# Altium PCB motordriver-v5.1_willem.PcbDoc (part 2 of 6) (continued)
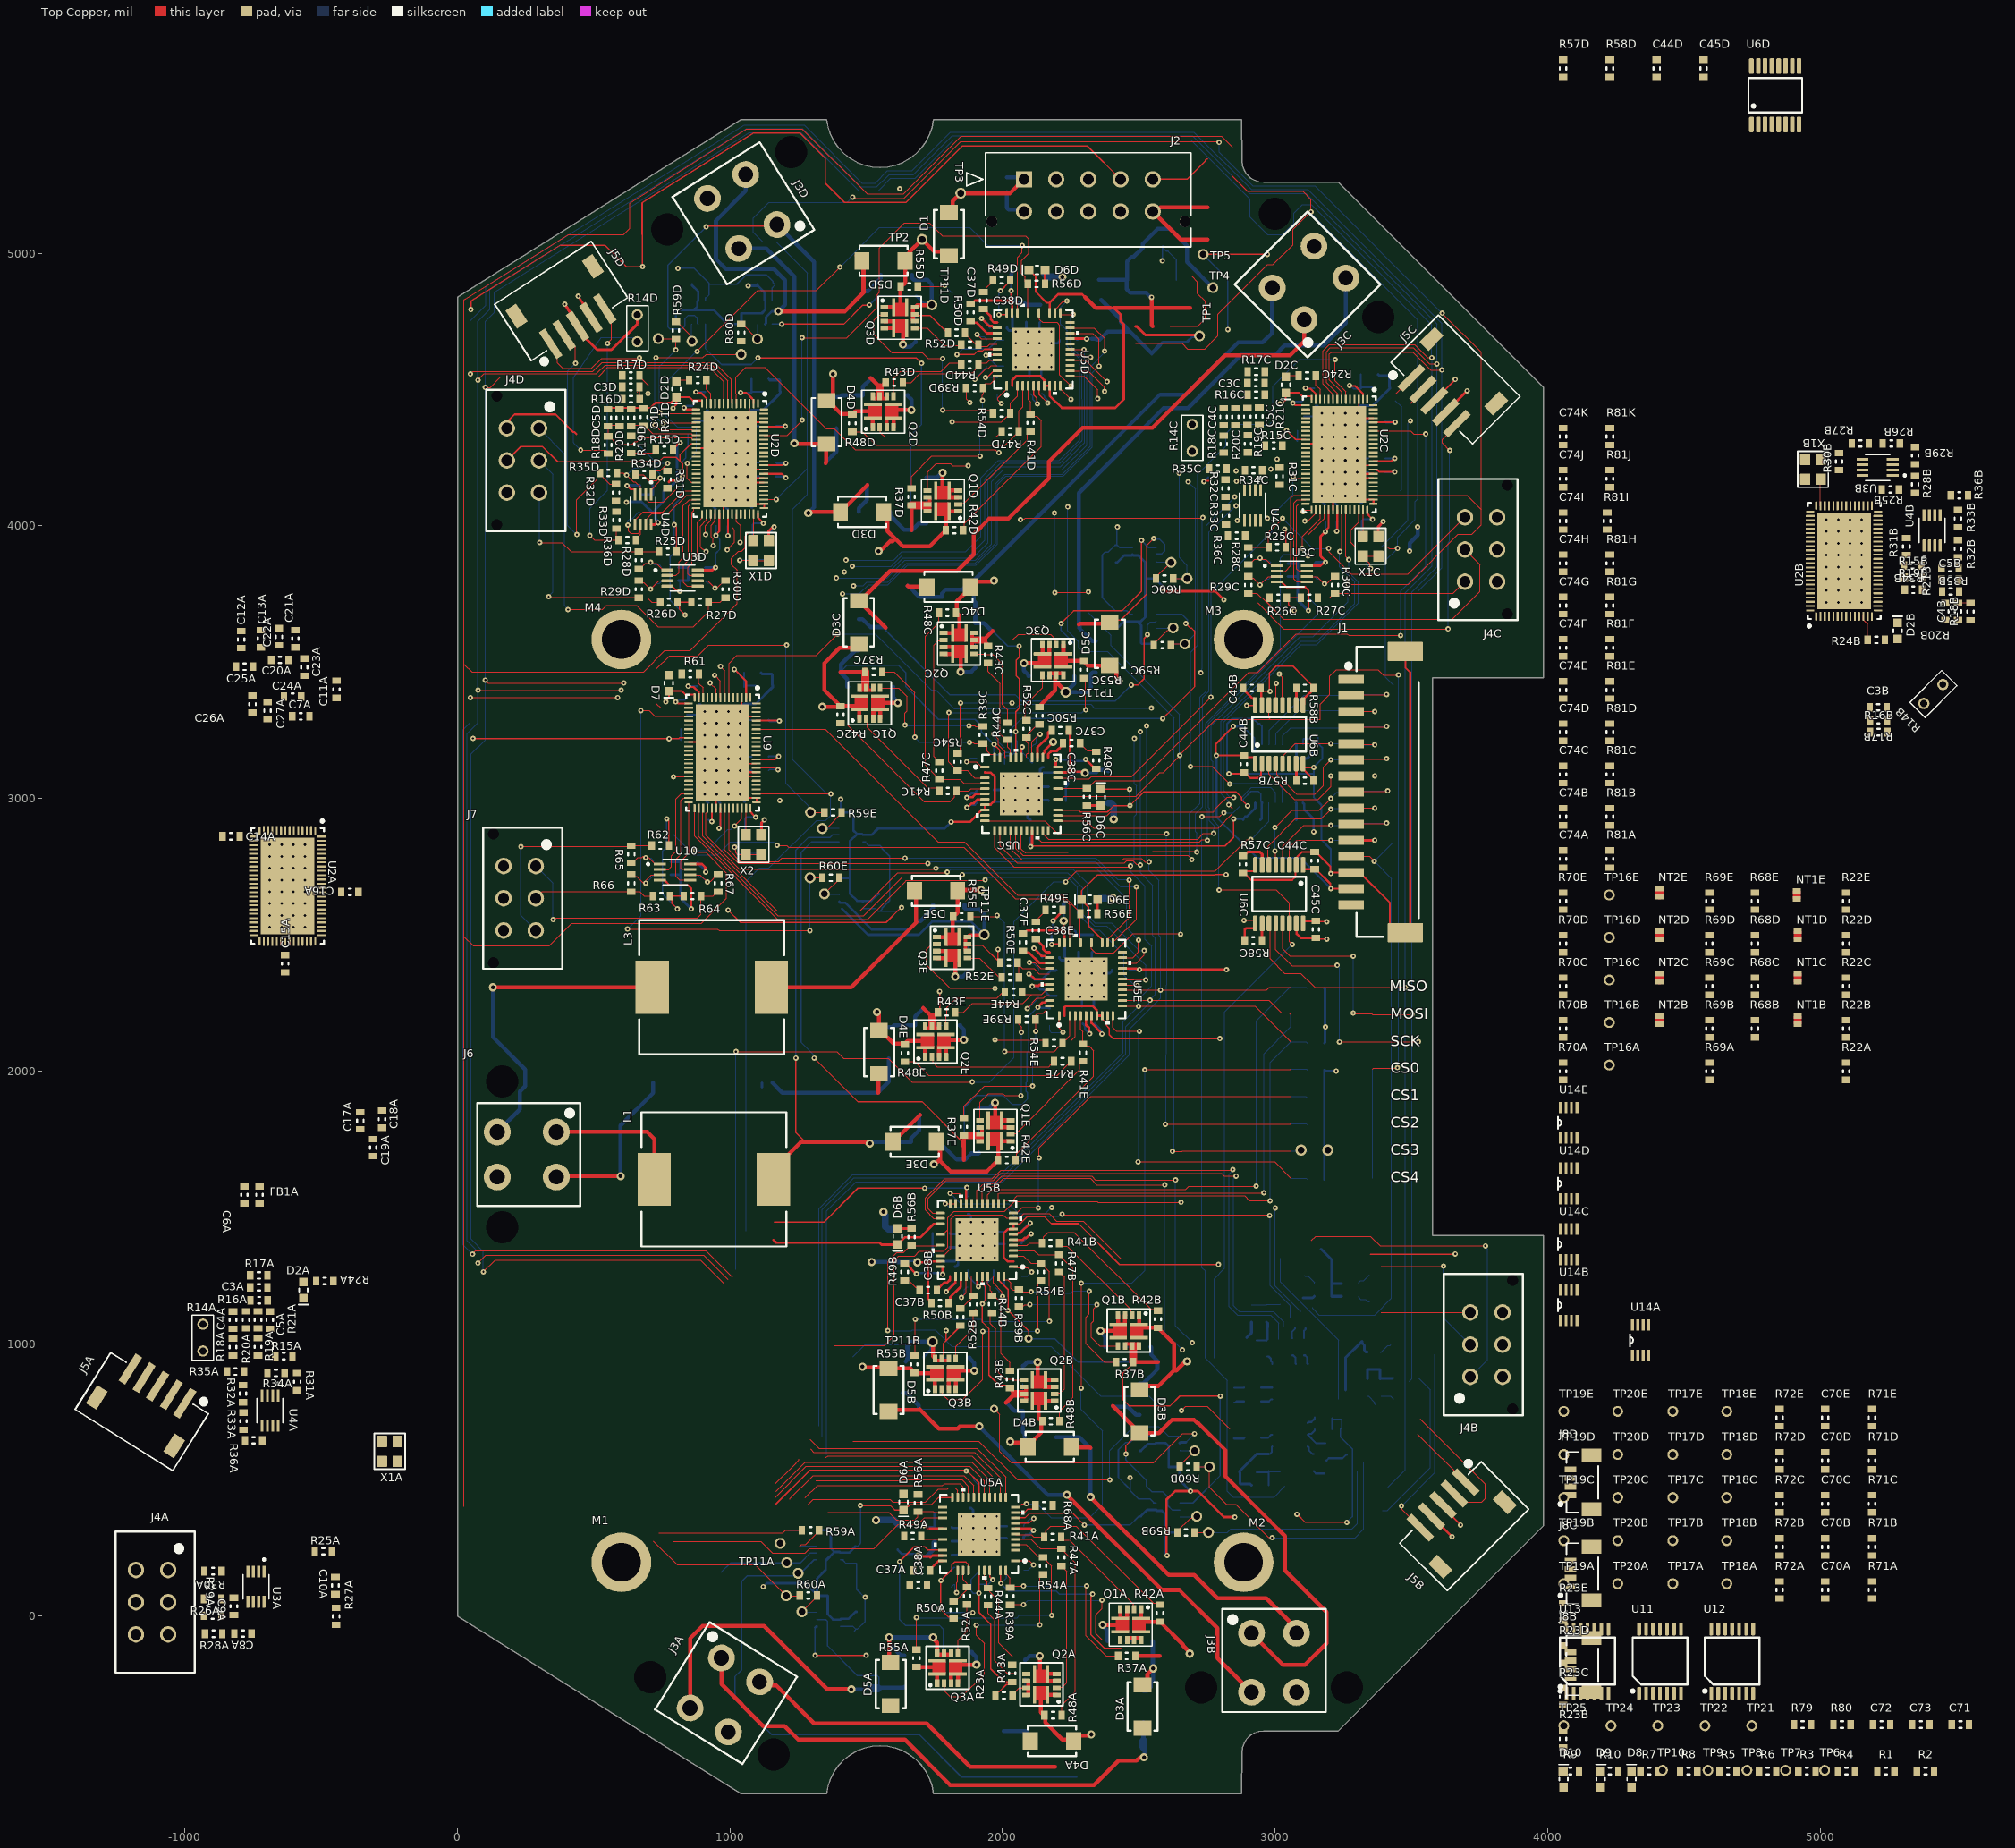
[diagram p0: Top Copper view]
## Components (designator, comment, footprint, x,y, rotation, side; value= is the part's Value field where it differs from the comment) (continued)
R72E "4.7k" 0603 4851.61,727.89 r90 top value=1 (schematic designator R72)
R73 "RES NTC 10k" "THERMISTOR TH" 3149.61,1704.72 r180 bottom value=10k
R74 "RES NTC 10k" 0603 3149.61,1803.15 r180 bottom value=10k
R75 "47k" 0603 3149.61,1901.57 r180 bottom
R76 "1k" 0603 3149.61,2003.94 r180 bottom
R77 "4.7k" 0603 3149.61,2303.15 r0 bottom value=1
R78 "4.7k" 0603 3149.61,2102.36 r0 bottom value=1
R79 "4.7k" 0603 4935.61,-398.11 r0 top value=1
R80 "4.7k" 0603 5080.61,-398.11 r0 top value=1
R81A "100" 0603 4228.61,2777.89 r90 top (schematic designator R81)
R81B "100" 0603 4228.61,2932.89 r90 top (schematic designator R81)
R81C "100" 0603 4228.61,3087.89 r90 top (schematic designator R81)
R81D "100" 0603 4228.61,3242.89 r90 top (schematic designator R81)
R81E "100" 0603 4228.61,3397.89 r90 top (schematic designator R81)
R81F "100" 0603 4228.61,3552.89 r90 top (schematic designator R81)
R81G "100" 0603 4228.61,3707.89 r90 top (schematic designator R81)
R81H "100" 0603 4228.61,3862.89 r90 top (schematic designator R81)
R81I "100" 0603 4218.61,4017.89 r90 top (schematic designator R81)
R81J "100" 0603 4228.61,4172.89 r90 top (schematic designator R81)
R81K "100" 0603 4228.61,4327.89 r90 top (schematic designator R81)
TP1 "Test Point (Via)" TP 2722.75,4696.89 r0 top
TP2 "Test Point (Via)" TP 1704.72,5051.18 r0 top
TP3 "Test Point (Via)" TP 1846.46,5220.47 r0 top
TP4 "Test Point (Via)" TP 2771.65,4874.02 r270 top
TP5 "Test Point (Via)" TP 2736.22,4996.06 r180 top
TP6 "Test Point (Via)" TP 5016.61,-566.11 r0 top
TP7 "Test Point (Via)" TP 4873.61,-566.11 r0 top
TP8 "Test Point (Via)" TP 4731.61,-566.11 r0 top
TP9 "Test Point (Via)" TP 4588.61,-566.11 r0 top
TP10 "Test Point (Via)" TP 4421.61,-566.11 r90 top
TP11A "Test Point (Via)" TP 1208,196 r180 top (schematic designator TP11)
TP11B "Test Point (Via)" TP 1743.03,1006.81 r180 top (schematic designator TP11)
TP11C "Test Point (Via)" TP 2232.28,3389.76 r0 top (schematic designator TP11)
TP11D "Test Point (Via)" TP 1740.75,4811.02 r90 top (schematic designator TP11)
TP11E "Test Point (Via)" TP 1933.07,2500 r90 top (schematic designator TP11)
TP12A "Test Point (Via)" TP 1250,157 r180 bottom (schematic designator TP12)
TP12B "Test Point (Via)" TP 2755.91,307.09 r0 bottom (schematic designator TP12)
TP12C "Test Point (Via)" TP 2669.29,3566.93 r0 bottom (schematic designator TP12)
TP12D "Test Point (Via)" TP 737,4687 r270 bottom (schematic designator TP12)
TP12E "Test Point (Via)" TP 1295.28,2948.82 r180 bottom (schematic designator TP12)
TP13A "Test Point (Via)" TP 1184,267 r180 bottom (schematic designator TP13)
TP13B "Test Point (Via)" TP 2712.6,366.14 r0 bottom (schematic designator TP13)
TP13C "Test Point (Via)" TP 2625.98,3625.98 r0 bottom (schematic designator TP13)
TP13D "Test Point (Via)" TP 860.55,4677.68 r270 bottom (schematic designator TP13)
TP13E "Test Point (Via)" TP 1338.58,2889.76 r180 bottom (schematic designator TP13)
TP14A "Test Point (Via)" TP 1206.11,74.5 r180 bottom (schematic designator TP14)
TP14B "Test Point (Via)" TP 2759.7,547.57 r0 bottom (schematic designator TP14)
TP14C "Test Point (Via)" TP 2677.18,3806.71 r0 bottom (schematic designator TP14)
TP14D "Test Point (Via)" TP 1040.9,4629.5 r270 bottom (schematic designator TP14)
TP14E "Test Point (Via)" TP 1293.79,2708.9 r180 bottom (schematic designator TP14)
TP15A "Test Point (Via)" TP 1263.78,15.75 r180 bottom (schematic designator TP15)
TP15B "Test Point (Via)" TP 2704.72,606.3 r0 bottom (schematic designator TP15)
TP15C "Test Point (Via)" TP 2618.11,3866.14 r0 bottom (schematic designator TP15)
TP15D "Test Point (Via)" TP 1100.71,4685.55 r270 bottom (schematic designator TP15)
TP15E "Test Point (Via)" TP 1346.46,2649.6 r180 bottom (schematic designator TP15)
TP16A "Test Point (Via)" TP 4226.61,2021.89 r90 top (schematic designator TP16)
TP16B "Test Point (Via)" TP 4226.61,2177.89 r90 top (schematic designator TP16)
TP16C "Test Point (Via)" TP 4226.61,2333.89 r90 top (schematic designator TP16)
TP16D "Test Point (Via)" TP 4226.61,2489.89 r90 top (schematic designator TP16)
TP16E "Test Point (Via)" TP 4226.61,2645.89 r90 top (schematic designator TP16)
TP17A "Test Point (Via)" TP 4459.61,118.89 r90 top (schematic designator TP17)
TP17B "Test Point (Via)" TP 4459.61,276.89 r90 top (schematic designator TP17)
TP17C "Test Point (Via)" TP 4459.61,434.89 r90 top (schematic designator TP17)
TP17D "Test Point (Via)" TP 4459.61,592.89 r90 top (schematic designator TP17)
TP17E "Test Point (Via)" TP 4459.61,750.89 r90 top (schematic designator TP17)
TP18A "Test Point (Via)" TP 4657.61,118.89 r90 top (schematic designator TP18)
TP18B "Test Point (Via)" TP 4657.61,276.89 r90 top (schematic designator TP18)
TP18C "Test Point (Via)" TP 4657.61,434.89 r90 top (schematic designator TP18)
TP18D "Test Point (Via)" TP 4657.61,592.89 r90 top (schematic designator TP18)
TP18E "Test Point (Via)" TP 4657.61,750.89 r90 top (schematic designator TP18)
TP19A "Test Point (Via)" TP 4059.61,118.89 r90 top (schematic designator TP19)
TP19B "Test Point (Via)" TP 4059.61,276.89 r90 top (schematic designator TP19)
TP19C "Test Point (Via)" TP 4059.61,434.89 r90 top (schematic designator TP19)
TP19D "Test Point (Via)" TP 4059.61,592.89 r90 top (schematic designator TP19)
TP19E "Test Point (Via)" TP 4059.61,750.89 r90 top (schematic designator TP19)
TP20A "Test Point (Via)" TP 4257.61,118.89 r90 top (schematic designator TP20)
TP20B "Test Point (Via)" TP 4257.61,276.89 r90 top (schematic designator TP20)
TP20C "Test Point (Via)" TP 4257.61,434.89 r90 top (schematic designator TP20)
TP20D "Test Point (Via)" TP 4257.61,592.89 r90 top (schematic designator TP20)
TP20E "Test Point (Via)" TP 4257.61,750.89 r90 top (schematic designator TP20)
TP21 "Test Point (Via)" TP 4749.61,-402.11 r90 top
TP22 "Test Point (Via)" TP 4577.61,-402.11 r90 top
TP23 "Test Point (Via)" TP 4404.61,-402.11 r90 top
TP24 "Test Point (Via)" TP 4232.61,-402.11 r90 top
TP25 "Test Point (Via)" TP 4059.61,-402.11 r90 top
U1 "ZLDO1117K33TC" "DPAK (TO-252)" 2547.24,4736.22 r0 bottom
U2A "TMC4671-LA" QFN40P1050X650X90_HS-77N -624,2679 r270 top (schematic designator U2)
U2B "TMC4671-LA" QFN40P1050X650X90_HS-77N 5088.04,3871.04 r90 top (schematic designator U2)
U2C "TMC4671-LA" QFN40P1050X650X90_HS-77N 3236.3,4261.77 r270 top (schematic designator U2)
U2D "TMC4671-LA" QFN40P1050X650X90_HS-77N 1000.08,4246.02 r270 top (schematic designator U2)
U3A "74LVC3G17DC,125" 8-VSSOP -739.54,108 r270 top (schematic designator U3)
U3B "74LVC3G17DC,125" 8-VSSOP 5211.13,4214.46 r180 top (schematic designator U3)
U3C "74LVC3G17DC,125" 8-VSSOP 3062.2,3823.98 r0 top (schematic designator U3)
U3D "74LVC3G17DC,125" 8-VSSOP 825.98,3808.23 r0 top (schematic designator U3)
U4A "74LVC3G17DC,125" 8-VSSOP -687.9,754.1 r270 top (schematic designator U4)
U4B "74LVC3G17DC,125" 8-VSSOP 5410.95,3983.21 r90 top (schematic designator U4)
U4C "74LVC3G17DC,125" 8-VSSOP 2917.22,4075.75 r270 top (schematic designator U4)
U4D "74LVC3G17DC,125" 8-VSSOP 681,4060 r270 top (schematic designator U4)
U5A "TMC6100" QFN50P700X700X85_HS-38N 1914.07,301.33 r180 top (schematic designator U5)
U5B "TMC6100" QFN50P700X700X85_HS-38N 1906.19,1380.07 r180 top (schematic designator U5)
U5C "TMC6100" QFN50P700X700X85_HS-38N 2069.12,3016.5 r0 top (schematic designator U5)
U5D "TMC6100" QFN50P700X700X85_HS-38N 2114.02,4647.86 r90 top (schematic designator U5)
U5E "TMC6100" QFN50P700X700X85_HS-38N 2306.34,2336.84 r90 top (schematic designator U5)
U6A "ADUM141D1BRQZ" SOP64P600X175-16N 3014.86,3091.54 r270 bottom (schematic designator U6)
U6B "ADUM141D1BRQZ" SOP64P600X175-16N 3014.86,3235.24 r90 top (schematic designator U6)
U6C "ADUM141D1BRQZ" SOP64P600X175-16N 3015.24,2648.9 r270 top (schematic designator U6)
U6D "ADUM141D1BRQZ" SOP64P600X175-16N 4835.61,5579.89 r90 top (schematic designator U6)
U7A "OP AMP CURR SENSE BI TSC" SC70-6 1361.69,232.6 r270 bottom (schematic designator U7)
U7B "OP AMP CURR SENSE BI TSC" SC70-6 2606.81,389.45 r90 bottom (schematic designator U7)
U7C "OP AMP CURR SENSE BI TSC" SC70-6 2520.2,3649.29 r90 bottom (schematic designator U7)
U7D "OP AMP CURR SENSE BI TSC" SC70-6 883.86,4783.47 r0 bottom (schematic designator U7)
U7E "OP AMP CURR SENSE BI TSC" SC70-6 1444.37,2866.46 r270 bottom (schematic designator U7)
U8A "OP AMP CURR SENSE BI TSC" SC70-6 1361.69,-12.87 r270 bottom (schematic designator U8)
U8B "OP AMP CURR SENSE BI TSC" SC70-6 2606.81,634.92 r90 bottom (schematic designator U8)
U8C "OP AMP CURR SENSE BI TSC" SC70-6 2520.2,3894.76 r90 bottom (schematic designator U8)
U8D "OP AMP CURR SENSE BI TSC" SC70-6 1129.33,4783.47 r0 bottom (schematic designator U8)
U8E "OP AMP CURR SENSE BI TSC" SC70-6 1444.37,2620.98 r270 bottom (schematic designator U8)
U9 "TMC4671-LA" QFN40P1050X650X90_HS-77N 972.52,3167.28 r270 top
U10 "74LVC3G17DC,125" 8-VSSOP 798.43,2729.49 r0 top
U11 "Tri-State Buffer" 14-TSSOP 4412.61,-165.11 r90 top
U12 "Tri-State Buffer" 14-TSSOP 4677.61,-165.11 r90 top
U13 "Tri-State Buffer" 14-TSSOP 4146.61,-165.11 r90 top
U14A "FSA3357K8X" SOP50P310X90-8N 4341,1012 r90 top (schematic designator U14)
U14B "FSA3357K8X" SOP50P310X90-8N 4077.61,1140.89 r90 top (schematic designator U14)
U14C "FSA3357K8X" SOP50P310X90-8N 4077.61,1363.89 r90 top (schematic designator U14)
U14D "FSA3357K8X" SOP50P310X90-8N 4077.61,1586.89 r90 top (schematic designator U14)
U14E "FSA3357K8X" SOP50P310X90-8N 4077.61,1809.89 r90 top (schematic designator U14)
X1A "KC2520C25.0000C2LE00" KC2520C25.0000C2LE00 -248.65,604.43 r90 top (schematic designator X1)
X1B "KC2520C25.0000C2LE00" KC2520C25.0000C2LE00 4973.94,4207.62 r270 top (schematic designator X1)
X1C "KC2520C25.0000C2LE00" KC2520C25.0000C2LE00 3350.39,3925.2 r90 top (schematic designator X1)
X1D "KC2520C25.0000C2LE00" KC2520C25.0000C2LE00 1114.17,3909.45 r90 top (schematic designator X1)
X2 "KC2520C25.0000C2LE00" KC2520C25.0000C2LE00 1086.61,2830.71 r90 top

## Footprints (in the part's own frame and the unit in brackets; to place one, negate y for a bottom-side part, rotate by r counter-clockwise, add the part's x,y. Pads: shape width x height; smd on the part's side, far side on the other; paste and mask are expansions set on the pad)
8-VSSOP [mm]
  rrect25% 1.12x0.27 smd mask+0.065: 1(-1.405,0.75) 2(-1.405,0.25) 3(-1.405,-0.25) 4(-1.405,-0.75) 5(1.405,-0.75) 6(1.405,-0.25) 7(1.405,0.25) 8(1.405,0.75)
  silkscreen extent -2.62,-1.2 1.15,1.2, body extent -1.55,-1 1.55,1, height 0.9
12-PowerWQFN [mm] "MOSFET DUAL SWITCHING N CHANNEL"
  rrect10% 0.74x0.42 smd mask+0.065: 1(-1.43,0.975) 2(-1.43,0.325) 3(-1.43,-0.325) 4(-1.43,-0.975) 7(1.43,-0.975) 8(1.43,0.975) 8(1.43,-0.325) 8(1.43,0.325)
  rrect10% 0.3x1.66 smd mask+0.065: 5(-0.575,-0.97) 5(0.66,-0.97) 11(-0.575,0.97) 11(0.66,0.97)
  Top Copper region: 0.66,-1.4 0.66,-0.14 -0.575,-0.14 -0.575,-1.4
  Top Copper region: 1.414,-0.325 1.414,0.975 1.06,0.975 1.06,-0.325
  Top Copper region: -0.575,1.4 -0.575,0.14 0.66,0.14 0.66,1.4
  silkscreen extent -2,-2 2,2, body extent -1.65,-1.65 1.65,1.65, height 0.81
14-TSSOP [mm]
  rrect50% 1.2x0.35 smd mask+0.07: 1(-3,1.95) 2(-3,1.3) 3(-3,0.65) 4(-3,0) 5(-3,-0.65) 6(-3,-1.3) 7(-3,-1.95) 8(3,-1.95) 9(3,-1.3) 10(3,-0.65) 11(3,0) 12(3,0.65) 13(3,1.3) 14(3,1.95)
  silkscreen extent -2.8,-2.55 2.2,2.55, body extent -3.2,-2.5 3.2,2.5, height 1.13
0603 [mm] "Chip Resistor, 2-Leads, Body 1.60x0.80mm, IPC High Density"
  rect 0.6x0.8 smd mask+0.1: 1(-0.8,0) 2(0.8,0)
  silkscreen extent -0.1,-0.3 0.1,0.3, body extent -0.8,-0.4 0.8,0.4, height 0.6
"0603 - LED" [mm]
  rect 0.8x0.8 smd: 1(-0.75,0) 2(0.75,0)
  silkscreen extent -0.15,-0.45 1.35,0.45, body extent -0.8,-0.4 0.8,0.4, height 0.65
"0603 - LED2" [mm]
  rect 0.8x0.8 smd: 1(-0.75,0) 2(0.75,0)
  silkscreen extent -0.15,-0.45 1.35,0.45, body extent -0.8,-0.4 0.8,0.4, height 0.65
0805 [mil]
  rect 40x55 smd: 1(-37,0) 2(37,0)
  silkscreen extent -4,-28 4,28, body extent -47,-28 47,28, height 24
1206 [mm]
  rect 1.05x1.72 smd: 1(-1.46,0) 2(1.46,0)
  silkscreen extent -0.62,-0.85 0.62,0.85
39299044 [mm] "4 POS MOLEX VERT"
  round 2.5 hole 1.4: 1(0,0) 2(-4.2,0) 3(0,5.5) 4(-4.2,5.5)
  round 0 hole 3 unplated: MH1(-8.9,5.04) MH1(4.7,5.04)
  silkscreen extent -6.9,-2.25 2.7,7.35, body extent -10.29,-2.25 6.09,8.75, height 12.8
430450628 [mm] "6 POS VERT MOLEX"
  round 1.53 hole 1.02: 1(0,0) 2(-3,0) 3(-6,0) 4(0,3) 5(-3,3) 6(-6,3)
  round 0 hole 1.02 unplated: MH1(3,3.94) MH2(-9,3.94)
  silkscreen extent -9.57,-2.47 3.58,4.9, body extent -9.57,-2.47 3.58,6.3, height 9.95
"DO-214AC, SMA" [mm]
  rect 1.4x1.64 smd: 1(-2.015,0) 2(2.015,0)
  silkscreen extent -2.25,-1.4 2.25,1.4, body extent -2.36,-1.29 2.36,1.29, height 2.3
"DPAK (TO-252)" [mil]
  rect 38.58x107.87 smd: 1(-90,-165) 3(90,-165)
  rect 241.67x251.97 smd paste-157.48: 2(0,103)
  silkscreen extent -135,-244 135,150, body extent -128,-185 128,205, height 97
"EATON _HCM1A1307V2-220-R" [mm] "FIXED IND 22UH 6A 33.1 mOHM SMD"
  rect 3.1x4.95 smd: 1(-5.55,0) 2(5.55,0)
  Top Copper lines w0.254: -4.6,0 -4.6,-0.4
  silkscreen extent -6.75,-6.25 6.75,6.25, body extent -6.72,-6.3 6.73,6.3, height 6.4
"JST ZE SMT 15POS" [mm] "15 POS HDR JST ZE"
  rrect10% 1.8x3.3 smd: 0(-12.35,-2.3) 0(13.85,-2.3)
  rrect10% 0.8x2.4 smd: 1(11.25,2.75) 2(9.75,2.75) 3(8.25,2.75) 4(6.75,2.75) 5(5.25,2.75) 6(3.75,2.75) 7(2.25,2.75) 8(0.75,2.75) 9(-0.75,2.75) 10(-2.25,2.75) 11(-3.75,2.75) 12(-5.25,2.75) 13(-6.75,2.75) 14(-8.25,2.75) 15(-9.75,2.75)
  silkscreen extent -12.75,-3.55 14.26,3, body extent -12.75,-3.55 14.25,3.45, height 7.6
JST_S5B-ZR-SM4A-TF [mil]
  rect 28x118 smd paste+0: 1(0,0) 2(59.06,0) 3(118.11,0) 4(177.17,0) 5(236.22,0)
  rect 47x79 smd: 6(-49.21,153.62) 7(285.43,153.62)
  silkscreen extent -93,-41 330,233, body extent -88,-28 325,228, height 146
KC2520C25.0000C2LE00 [mm]
  rrect10% 1.05x0.95 smd: 1(-0.925,-0.725) 2(0.925,-0.725) 3(0.925,0.725) 4(-0.925,0.725)
  silkscreen extent -1.68,-1.42 1.68,1.43, body extent -1.25,-1 1.25,1, height 0.75
MOLEX_0430451012 [mm]
  rect 1.52x1.52 hole 1.02 mask+0.076: 1(0,0)
  round 1.52 hole 1.02 mask+0.076: 2(-3,0) 3(-6,0) 4(-9,0) 5(-12,0) 6(0,3) 7(-3,3) 8(-6,3) 9(-9,3) 10(-12,3)
  round 1.02 hole 1.02 unplated mask+0.076: M1(3,3.94) M2(-15,3.94)
  silkscreen extent -15.57,-2.47 5.35,6.3, body extent -15.57,-2.47 3.58,6.3, height 9.95
"Mounting Hole c556h362" [mil]
  round 218.78 hole 142.44: 1(0,0)
NET_TIE-30 [mil] "12mil patch for net tie."
  rect 20x30 smd paste-20 mask+4: 1(0,0) 2(30,0)
  Top Copper lines w30: 25,0 5,0
QFN40P1050X650X90_HS-77N [mm] "QFN, 76-Leads, Body 10,50x6,50mm, Pitch 0,40mm, Thermal Pad 9,00x5,00mm, IPC Medium Density"
  rrect50% 0.768x0.182 smd mask+0.051: 1(-5.166,2.6) 14(-5.166,-2.6) 39(5.166,-2.6) 52(5.166,2.6)
  rrect50% 0.85x0.182 smd mask+0.051: 2(-5.15,2.2) 3(-5.15,1.8) 4(-5.15,1.4) 5(-5.15,1) 6(-5.15,0.6) 7(-5.15,0.2) 8(-5.15,-0.2) 9(-5.15,-0.6) 10(-5.15,-1) 11(-5.15,-1.4) 12(-5.15,-1.8) 13(-5.15,-2.2) 40(5.15,-2.2) 41(5.15,-1.8) 42(5.15,-1.4) 43(5.15,-1) 44(5.15,-0.6) 45(5.15,-0.2) 46(5.15,0.2) 47(5.15,0.6) 48(5.15,1) 49(5.15,1.4) 50(5.15,1.8) 51(5.15,2.2)
  rrect50% 0.182x0.768 smd mask+0.051: 15(-4.6,-3.166) 38(4.6,-3.166) 53(4.6,3.166) 76(-4.6,3.166)
  rrect50% 0.182x0.85 smd mask+0.051: 16(-4.2,-3.15) 17(-3.8,-3.15) 18(-3.4,-3.15) 19(-3,-3.15) 20(-2.6,-3.15) 21(-2.2,-3.15) 22(-1.8,-3.15) 23(-1.4,-3.15) 24(-1,-3.15) 25(-0.6,-3.15) 26(-0.2,-3.15) 27(0.2,-3.15) 28(0.6,-3.15) 29(1,-3.15) 30(1.4,-3.15) 31(1.8,-3.15) 32(2.2,-3.15) 33(2.6,-3.15) 34(3,-3.15) 35(3.4,-3.15) 36(3.8,-3.15) 37(4.2,-3.15) 54(4.2,3.15) 55(3.8,3.15) 56(3.4,3.15) 57(3,3.15) 58(2.6,3.15) 59(2.2,3.15) 60(1.8,3.15) 61(1.4,3.15) 62(1,3.15) 63(0.6,3.15) 64(0.2,3.15) 65(-0.2,3.15) 66(-0.6,3.15) 67(-1,3.15) 68(-1.4,3.15) 69(-1.8,3.15) 70(-2.2,3.15) 71(-2.6,3.15) 72(-3,3.15) 73(-3.4,3.15) 74(-3.8,3.15) 75(-4.2,3.15)
  rect 9x5 smd paste-99 mask+0.051: 77(0,0)
  silkscreen extent -6.17,-3.4 5.4,3.4, body extent -4.93,-3.25 5.58,3.25, height 0.9
QFN50P700X700X85_HS-38N [mm] "QFN, 44-Leads, Body 7.00x7.00mm, Pitch 0.50mm, Thermal Pad 4.00x4.00mm, IPC Medium Density"
  rrect50% 0.85x0.25 smd mask+0.075: 1(-3.4,2.5) 2(-3.4,1.5) 3(-3.4,1) 4(-3.4,0.5) 5(-3.4,0) 6(-3.4,-0.5) 7(-3.4,-1) 8(-3.4,-1.5) 9(-3.4,-2) 10(-3.4,-2.5) 22(3.4,-2.5) 23(3.4,-2) 24(3.4,-1.5) 25(3.4,-0.5) 26(3.4,0.5) 27(3.4,1.5) 28(3.4,2) 29(3.4,2.5)
  rrect50% 0.25x0.85 smd mask+0.075: 11(-2.5,-3.4) 12(-2,-3.4) 13(-1.5,-3.4) 14(-1,-3.4) 15(-0.5,-3.4) 16(0,-3.4) 17(0.5,-3.4) 18(1,-3.4) 19(1.5,-3.4) 20(2,-3.4) 21(2.5,-3.4) 30(2,3.4) 31(1.5,3.4) 32(1,3.4) 33(0,3.4) 34(-0.5,3.4) 35(-1,3.4) 36(-2,3.4) 37(-2.5,3.4)
  rect 4x4 smd paste-99: 38(0,0)
  silkscreen extent -4.39,-4.22 4.22,4.22, body extent -3.5,-3.5 3.5,3.5, height 0.89
SC70-6 [mm] "Current Sense Amp Footprint"
  rrect50% 0.4x0.9 smd mask+0.075: 1(-0.65,-1.1) 2(0,-1.1) 3(0.65,-1.1) 4(0.65,1.1) 5(0,1.1) 6(-0.65,1.1)
  silkscreen extent -1.1,-1.5 1.1,1.05, body extent -1,-1.05 1,1.05, height 1
SM04B-SURS-TF(LF)(SN) [mil]
  rect 22x43 smd paste+0: 1(-47.24,43.16) 2(-15.75,43.16) 3(15.75,43.16) 4(47.24,43.16)
  rect 51x71 smd: 5(-98.43,-33.61) 6(98.43,-33.61)
  silkscreen extent -112,-58 112,81, body extent -106,-53 106,53, height 67
SOP50P310X90-8N [mil]
  rect 42x11 smd: 1(-56,30) 2(-56,10) 3(-56,-10) 4(-56,-30) 5(56,-30) 6(56,-10) 7(56,10) 8(56,30)
  silkscreen extent -23,27 23,39
SOP64P600X175-16N [mm] "SOP, 16-Leads, Body 4.90x3.91mm, Pitch 0.64mm, IPC Medium Density"
  rrect50% 1.45x0.435 smd mask+0.05: 1(-2.725,2.223) 2(-2.725,1.588) 3(-2.725,0.953) 4(-2.725,0.318) 5(-2.725,-0.317) 6(-2.725,-0.952) 7(-2.725,-1.587) 8(-2.725,-2.222) 9(2.725,-2.223) 10(2.725,-1.588) 11(2.725,-0.953) 12(2.725,-0.318) 13(2.725,0.317) 14(2.725,0.952) 15(2.725,1.587) 16(2.725,2.222)
  silkscreen extent -1.6,-2.5 1.6,2.5, body extent -2,-2.5 2,2.5, height 1.76
"THERMISTOR TH" [mm]
  round 1.05 hole 0.65: 1(-1.123,0.127) 2(1.377,0.127)
  silkscreen extent -1.97,-0.87 2.23,1.13
TP [mil] "Test point (40mil Standard)"
  round 40 hole 25: 1(0,0)

## Part data
C1 C2: library part "CAP 10uF 35V_1", "Default Symbol for Capacitors", Manufacturer Part Number 1=C2012X5R1V106K125AC, Rating=35V, Supplier Part Number 1=445-14418-1-ND, Temperature Coefficient=X5R, Tolerance=10%, Part Number="CAP 10uF 35V_1", Supplier 1=Digi-Key
C3A C3B C3C C3D C4A C4B C4C C4D C5A C5B C5C C5D C6A C6B C6C C6D C7A C7B C7C C7D C11A C11B C11C C11D C13A C13B C13C C13D C14A C14B C14C C14D C15A C15B C15C C15D C16A C16B C16C C16D C22A C22B C22C C22D C23A C23B C23C C23D C24A C24B C24C C24D C25A C25B C25C C25D C26A C26B C26C C26D C27A C27B C27C C27D C29A C29B C29C C29D C29E C37A C37B C37C C37D C37E C41A C41B C41C C41D C41E C42A C42B C42C C42D C42E C43A C43B C43C C43D C43E C44A C44B C44C C44D C45A C45B C45C C45D C47A C47B C47C C47D C47E C48A C48B C48C C48D C48E C50A C50B C50C C50D C50E C51A C51B C51C C51D C51E C52 C53 C58 C59 C60 C61 C64 C65 C66 C67 C68 C69 C70A C70B C70C C70D C70E C71 C72 C73: library part "CAP 100nF 50V", "Default Symbol for Capacitors", Manufacturer Part Number 1=CC0603KPX7R9BB104, Manufacturer Part Number 2=0805J0500104KJT, Rating=50V, Supplier Part Number 1=311-3567-1-ND, Temperature Coefficient=X7R, Tolerance=10%, Part Number="CAP 100nF 50V", Supplier 1=Digi-Key, Supplier 2=Digi-Key, Supplier Part Number 2=1608-1458-1-ND
C8A C8B C8C C8D C9A C9B C9C C9D C10A C10B C10C C10D C54 C55 C56: library part "CAP 1000pF 50V", "Default Symbol for Capacitors", Manufacturer Part Number 1="06035C102K4Z2A / 06035C102K4Z2A", Manufacturer Part Number 2=08055C102KAT2A, Rating=50V, Supplier Part Number 1=478-6342-1-ND, Temperature Coefficient=X7R, Tolerance=10%, Part Number="CAP 1000pF 50V", Supplier 1=Digi-Key, Supplier 2=Digi-Key, Supplier Part Number 2=478-1371-1-ND
C12A C12B C12C C12D C20A C20B C20C C20D C57 C62: library part "CAP 4.7uF 16V", "Default Symbol for Capacitors", Manufacturer Part Number 1=C1608X5R1C475K080AE, Manufacturer Part Number 2=C2012X5R1C475K085AB, Rating=16V, Supplier Part Number 1=445-175225-1-ND, Temperature Coefficient=X5R, Tolerance=10%, Part Number="CAP 4.7uF 16V", Supplier 1=Digi-Key, Supplier 2=Digi-Key, Supplier Part Number 2=445-14382-1-ND
C17A C17B C17C C17D C18A C18B C18C C18D C19A C19B C19C C19D: library part "CAP 100pF 50V", "Default Symbol for Capacitors", Manufacturer Part Number 1=C0603C101K5RAC7867, Manufacturer Part Number 2=C0805C101J5RAC7800, Rating=50V, Supplier Part Number 1=399-C0603C101K5RAC7867CT-ND, Temperature Coefficient=X7R, Tolerance=10%, Part Number="CAP 100pF 50V", Supplier 1=Digi-Key, Supplier 2=Digi-Key, Supplier Part Number 2=399-17420-1-ND
C21A C21B C21C C21D C30A C30B C30C C30D C30E C31A C31B C31C C31D C31E C32A C32B C32C C32D C32E C40A C40B C40C C40D C40E C63: library part "CAP 470nF 50V", "Default Symbol for Capacitors", Manufacturer Part Number 1=C1608X7R1H474K080AC, Manufacturer Part Number 2=CL21B474KBFNNNG, Rating=50V, Supplier Part Number 1=445-5952-1-ND, Temperature Coefficient=X7R, Tolerance=10%, Part Number="CAP 470nF 50V", Supplier 1=Digi-Key, Supplier 2=Digi-Key, Supplier Part Number 2=1276-6482-1-ND
C28A C28B C28C C28D C28E C33A C33B C33C C33D C33E C38A C38B C38C C38D C38E: library part "CAP 1600pF 50V", "Default Symbol for Capacitors", Manufacturer Part Number 1=GRM1885C1H162JA01D, Manufacturer Part Number 2=GRM2165C1H162JA01D, Rating=50V, Supplier Part Number 1=490-1456-1-ND, Temperature Coefficient=NP0, Tolerance=5%, Part Number="CAP 1600pF 50V", Supplier 1=Digi-Key, Supplier 2=Digi-Key, Supplier Part Number 2=490-1625-1-ND
C34A C34B C34C C34D C34E: library part "CAP 10uF 50V", "Default Symbol for Capacitors", Manufacturer Part Number 1=GRM21BR61H106KE43L, Manufacturer Part Number 2=CL32B106KBJNNWE, Rating=50V, Supplier Part Number 1=490-18663-1-ND, Temperature Coefficient=X5R, Tolerance=10%, Part Number="CAP 10uF 50V", Supplier 1=Digi-Key, Supplier 2=Digi-Key, Supplier Part Number 2=1276-3388-1-ND
C35A C35B C35C C35D C35E C36A C36B C36C C36D C36E: library part "CAP 2.2uF 35V", "Default Symbol for Capacitors", Manufacturer Part Number 1=C1608X5R1V225K080AC, Manufacturer Part Number 2=CGA4J1X7R1V225K125AE, Rating=35V, Supplier Part Number 1=445-8025-1-ND, Temperature Coefficient=X5R, Tolerance=10%, Part Number="CAP 2.2uF 35V", Supplier 1=Digi-Key, Supplier 2=Digi-Key, Supplier Part Number 2=445-8787-1-ND
C39A C39B C39C C39D C39E: library part "CAP 0.022uF 35V", "Default Symbol for Capacitors", Manufacturer Part Number 1=GMK107BJ223KAHT, Manufacturer Part Number 2=GMK212SD223KG-T, Rating=35V, Supplier Part Number 1=587-3359-1-ND, Temperature Coefficient=X7R, Tolerance=10%, Part Number="CAP 0.022uF 35V", Supplier 1=Digi-Key, Supplier 2=Digi-Key, Supplier Part Number 2=587-1122-1-ND
C46A C46B C46C C46D C46E C49A C49B C49C C49D C49E: library part "CAP 2200pF 50V", "Default Symbol for Capacitors", Manufacturer Part Number 1=06035C222KAT2A, Manufacturer Part Number 2=CL21B222KBANNNC, Rating=50V, Supplier Part Number 1=478-1219-1-ND, Temperature Coefficient=X7R, Tolerance=10%, Part Number="CAP 2200pF 50V", Supplier 1=Digi-Key, Supplier 2=Digi-Key, Supplier Part Number 2=1276-1171-1-ND
C74A C74B C74C C74D C74E C74F C74G C74H C74I C74J C74K: library part "CAP 330pF 16V", "Default Symbol for Capacitors", Rating=16V, Temperature Coefficient=X5R, Tolerance=10%, Part Number="CAP 330pF 16V"
D1 D3A D3B D3C D3D D3E D4A D4B D4C D4D D4E D5A D5B D5C D5D D5E: library part "DIODE TVS 26VWM 53.5VC SMA", "TVS DIODE 26V 53.5V SMA", Current Rating=43A, Manufacturer Part Number=SMAJ26CA-TR, Power=400W, Supplier Part Number 1=497-12523-1-ND, Voltage Rating - DC="26VWM, 53.5VC", Part Number="DIODE TVS 26VWM 53.5VC SMA", Pin Count=2, Supplier 1=Digi-Key, Supplier URL 1=https://www.digikey.ca/en/products/detail/stmicroelectronics/SMAJ26CA-TR/2214530?s=N4IgTCBcDaICwE4DsBaAjGArGAzOlAcgCIgC6AvkA
D2A D2B D2C D2D D7 D8 D9 D10: library part "LED GREEN SMD 0603", "LED Uni-Color Green 574nm 2-Pin Chip LED T/R", Current Rating=20mA, Manufacturer Part Number=LTST-C190KGKT, Supplier Part Number 1=160-1435-1-ND, Voltage Rating - DC=2V, Part Number="LED GREEN SMD 0603", Pin Count=2, Supplier 1=Digi-Key, Supplier URL 1=https://www.digikey.ca/en/products/detail/lite-on-inc/LTST-C190KGKT/386815?s=N4IgTCBcDaIIwDYAMBaOAWAzAVjSgcgCIgC6AvkA
D6A D6B D6C D6D D6E: library part "LED RED SMD 0603", "0603 red led alingap 631nm-639nm water clear 18-180mcd 130d", Current Rating=20mA, Manufacturer Part Number=LTST-C190KRKT, Supplier Part Number 1=160-1436-1-ND, Voltage Rating - DC=2V, Part Number="LED RED SMD 0603", Pin Count=2, Supplier 1=Digi-Key, Supplier URL 1=https://www.digikey.ca/en/products/detail/lite-on-inc/LTST-C190KRKT/386817?s=N4IgTCBcDaIIwDYAMBaOAWAzAtKByAIiALoC%2BQA
FB1A FB1B FB1C FB1D FB2: library part "FERRITE BEAD 200 MOHM 0603 1LN", "WURTH ELEKTRONIK - 742792651 - Ferrite Bead, 0603 [1608 Metric], 600 ohm, 1 A, WE-CBF Series, 0.2 ohm, &#177; 25%", Manufacturer Part Number=742792651-220-R, Supplier Part Number 1=732-1593-1-ND, Part Number="FERRITE BEAD 200 MOHM 0603 1LN", Supplier 1=Digi-Key, Supplier URL 1=https://www.digikey.ca/en/products/detail/w%C3%BCrth-elektronik/742792651/1638997?s=N4IgTCBcDaIOwGYwFoCMBWAnAtyByAIiALoC%2BQA
J1: library part "CN 15POS JST ZE SMT", "CONN HEADER VERT SMD 15POS ZE", Supplier Part Number 1=455-4211-1-ND, Manufacturer Part Number=BM15B-ZESS-TBT(LF)(SN), Part Number="CN 15POS JST ZE SMT", Pin Count=15, Supplier 1=Digi-Key, Supplier URL 1=https://www.digikey.ca/en/products/detail/jst-sales-america-inc/BM15B-ZESS-TBT-LF-SN/1886999?s=N4IgTCBcDaIEIFkCMBWOBaAWgUQMq-QBU5CAKAGQDEBKU3AOWpAF0BfIA
J2: library part "CN HDR 10POS MOLEX 0430451012", "CONN HEADER VERT 10POS 3MM", Manufacturer Part Number=0430451012, Supplier Part Number 1=455-1696-1-ND, Part Number="CN HDR 10POS MOLEX 0430451012", Pin Count=10, Supplier 1=Digi-Key, Supplier URL 1=https://www.digikey.ca/en/products/detail/molex/0430451012/252506?s=N4IgTCBcDaIAwBYDMiCsBGO6IF0C%2BQA
J3A J3B J3C J3D J6: library part "CN HDR 4POS Molex 39299044 VERT", "Molex 39299044 4POS Minifit / dual row, vertical", Supplier Part Number 1=WM7336-ND, Manufacturer Part Number=39299044, Part Number="CN HDR 4POS Molex 39299044 VERT", Pin Count=4, Supplier 1=Digi-Key, Supplier URL 1=https://www.digikey.ca/en/products/detail/molex/0039299044/1624292?s=N4IgTCBcDaIOoFkDsBmFA2AtAOQCIgF0BfIA
J4A J4B J4C J4D J7: library part "CN HDR 6POS Molex 43045-0628", "Molex 43045-0628 6POS Microfit / dual row, Vertical", Manufacturer Part Number=430450628, Supplier Part Number 1=WM10679-ND, Part Number="CN HDR 6POS Molex 43045-0628", Pin Count=6, Supplier 1=Digi-Key, Supplier URL 1=https://www.digikey.ca/en/products/detail/molex/0430450628/3310200?s=N4IgTCBcDaICwGYAMcCsSBsYAcAdXIAugL5A
J5A J5B J5C J5D: library part "CN 5POS JST ZR RA", "Connector Header Surface Mount, Right Angle 5 position 0.059\" (1.50mm)", Manufacturer Part Number=S5B-ZR-SM4A-TF, Supplier Part Number 1=455-1696-1-ND, Part Number="CN 5POS JST ZR RA", Pin Count=5, Supplier 1=Digi-Key, Supplier URL 1=https://www.digikey.ca/en/products/detail/jst-sales-america-inc/S5B-ZR-SM4A-TF-LF-SN/926603?s=N4IgTCBcDaICwFYEFoCMA2AnOtyByAIiALoC%2BQA
J8A J8B J8C J8D: library part "CN 4POS JST SUR RA", "No Description Available", Mfr_Name=JST, Supplier Part Number 1=455-3589-1-ND, Copyright="Copyright (C) 2022 Ultra Librarian. All rights reserved.", Digi-Key_Part_Number_1=455-3589-2-ND, Digi-Key_Part_Number_2=455-3589-1-ND, Digi-Key_Part_Number_3=455-3589-6-ND, Manufacturer Part Number=SM04B-SURS-TF(LF)(SN), Manufacturer_Part_Number=SM04B-SURS-TF(LF)(SN), Part Number="CN 4POS JST SUR RA", RefDes=RefDes, Supplier 1=Digi-Key, Supplier 2=Newark, Supplier Part Number 2=38K7687, Supplier URL 1=https://www.digikey.ca/en/products/detail/jst-sales-america-inc/SM04B-SURS-TF-LF-SN/7230518?s=N4IgTCBcDaICwFYEFoDMCAcBOZBGZAcgCIgC6AvkA, Supplier URL 2=https://canada.newark.com/jst-japan-solderless-terminals/sm04b-surs-tf-lf-sn/wire-board-connector-header-4/dp/38K7687?CMP=AFC-OP, Type=DEV
L1 L2 L3: library part "IND 22UH 6A 33.1 mOHM SMD", "Automotive Grade High Current Power Inductor 22uH 6A 28.8mOhm 5MHz SRF 2-Pin Surface Mount T/R", Manufacturer Part Number=HCM1A1307V2-220-R, Supplier Part Number 1=283-HCM1A1307V2-220-RCT-ND, Part Number="IND 22UH 6A 33.1 mOHM SMD", Supplier 1=Digi-Key, Supplier URL 1=https://www.digikey.ca/en/products/detail/eaton-electronics-division/HCM1A1307V2-220-R/10479205?s=N4IgTCBcDa4BwGYC0AJAwgWQIwEEsIAYB2ANTCTDAKQCU0AVJAOQBEQBdAXyA
M1 M2 M3 M4: library part "MOUNTING HOLE", "Mounting Hole, Plated, Through Hole, Via 5.557mm, Hole 3.618mm", Hole Size=3.618mm, Via Size=5.557mm
NT1A NT1B NT1C NT1D NT1E NT2A NT2B NT2C NT2D NT2E: library part NetTie-30, "Combines 2 nets", Part Number=NetTie-30
Q1A Q1B Q1C Q1D Q1E Q2A Q2B Q2C Q2D Q2E Q3A Q3B Q3C Q3D Q3E: library part "MOSFET N-CH DUAL NTTFD4D0N04HLTWG", "MOSFET N+N COMMON PHASE SW 40V 60A", Supplier Part Number 1=488-NTTFD4D0N04HLTWGCT-ND, Part Number="MOSFET N-CH DUAL NTTFD4D0N04HLTWG", Supplier 1=Digi-Key, Supplier URL 1=https://www.digikey.ca/en/products/detail/onsemi/NTTFD4D0N04HLTWG/12181286?s=N4IgTCBcDaIHIBUEDEAiAWVAGOX0AkAZBAdQHEBhBEAXQF8g
R1 R2 R3 R4 R5 R6 R7 R8 R9 R10: library part "RES 10k 1/8W - 1%", "Default Resistor Symbol", Manufacturer Part Number 1=ERJ-H3GJ103V, Manufacturer Part Number 2=RMCF0805JT10K0, Package=0805, Power (Watts)=0.125W, Supplier Part Number 1=10-ERJ-H3GJ103VCT-ND, Tolerance=5%, Part Number="RES 10k 1/8W - 1%", Supplier 1=Digi-Key, Supplier 2=Digi-Key, Supplier Part Number 2=RMCF0805JT10K0CT-ND, Tolerance 2=5%
R11: library part "RES 110.0 1/8W - 1%", "Default Resistor Symbol", Package=0805, Power (Watts)=0.125W, Tolerance=5%, Part Number="RES 110.0 1/8W - 1%"
R12: library part "RES 330.0 1/8W - 5%", "Default Resistor Symbol", Package=0805, Power (Watts)=0.125W, Tolerance=5%, Part Number="RES 330.0 1/8W - 5%"
R13: library part "RES 1.96k 1/8W", "Default Resistor Symbol", Package=0805, Power (Watts)=0.125W, Tolerance=5%, Part Number="RES 1.96k 1/8W"
R14A R14B R14C R14D R73: library part "RES NTC 10k TH", Manufacturer Part Number 1=NXRT15XH103FA1B040, Supplier Part Number 1=490-7167-ND, Tolerance=1%, Part Number="RES NTC 10k TH", Supplier 1=Digi-Key, Supplier 2=Mouser, Supplier Part Number 2=81-NXRT15XH103FA1B40
R15A R15B R15C R15D R74: library part "RES NTC 10k CHIP", Manufacturer Part Number 1=NCU18XH103F60RB, Supplier Part Number 1=490-16279-1-ND, Tolerance=1%, Part Number="RES NTC 10k CHIP", Supplier 1=Digi-Key
R16A R16B R16C R16D R75: library part "RES 47k 1/8W - 1%", "Default Resistor Symbol", Manufacturer Part Number 1=MCT06030C4702FP500, Manufacturer Part Number 2=AC0805FR-0747KL, Package=0805, Power (Watts)=0.125W, Supplier Part Number 1=MCT0603-47.0K-CFCT-ND, Tolerance=1%, Part Number="RES 47k 1/8W - 1%", Supplier 1=Digi-Key, Supplier 2=Digi-Key, Supplier Part Number 2=YAG3735CT-ND, Tolerance 2=1%
R17A R17B R17C R17D R34A R34B R34C R34D R35A R35B R35C R35D R36A R36B R36C R36D R59A R59B R59C R59D R59E R60A R60B R60C R60D R60E R76: library part "RES 1k 1/8W - 1%", "Default Resistor Symbol", Manufacturer Part Number 1=MCT06030C1001FP500, Manufacturer Part Number 2=RMCF0805FT1K00, Package=0805, Power (Watts)=0.125W, Supplier Part Number 1=MCT0603-1.00K-CFCT-ND, Tolerance=1%, Part Number="RES 1k 1/8W - 1%", Supplier 1=Digi-Key, Supplier 2=Digi-Key, Supplier Part Number 2=RMCF0805FT1K00CT-ND, Tolerance 2=1%
R18A R18B R18C R18D R19A R19B R19C R19D R20A R20B R20C R20D R21A R21B R21C R21D R71A R71B R71C R71D R71E R72A R72B R72C R72D R72E R77 R78 R79 R80: library part "RES 4.7k 1/8W - 1%", "Default Resistor Symbol", Package=0805, Power (Watts)=0.125W, Tolerance=5%, Part Number="RES 4.7k 1/8W - 1%"
R22A R22B R22C R22D R22E R23A R23B R23C R23D R23E R49A R49B R49C R49D R49E R68A R68B R68C R68D R68E R69A R69B R69C R69D R69E R70A R70B R70C R70D R70E: library part "RES 0 JUMPER", "RES SMD 0 OHM JUMPER GENERIC 0805", Package=0805, Part Number="RES 0 JUMPER"
R24A R24B R24C R24D R56A R56B R56C R56D R56E R61: library part "RES 75.0 1/8W - 5%", "Default Resistor Symbol", Manufacturer Part Number 1=RMCF0805JT75R0, Manufacturer Part Number 2=RNCP0603FTD75R0, Package=0805, Power (Watts)=0.125W, Supplier Part Number 1=RMCF0805JT75R0CT-ND, Tolerance=5%, Tolerance 2=1%, Part Number="RES 75.0 1/8W - 5%", Supplier 1=Digi-Key, Supplier 2=Digi-Key, Supplier Part Number 2=RNCP0603FTD75R0CT-ND
R25A R25B R25C R25D R26A R26B R26C R26D R27A R27B R27C R27D R28A R28B R28C R28D R29A R29B R29C R29D R30A R30B R30C R30D R31A R31B R31C R31D R32A R32B R32C R32D R33A R33B R33C R33D R57A R57B R57C R57D R58A R58B R58C R58D R62 R63 R64 R65 R66 R67: library part "RES 4.7k 1/8W - 5%", "Default Resistor Symbol", Package=0805, Power (Watts)=0.125W, Tolerance=5%, Part Number="RES 4.7k 1/8W - 5%"
R37A R37B R37C R37D R37E R42A R42B R42C R42D R42E R43A R43B R43C R43D R43E R48A R48B R48C R48D R48E R50A R50B R50C R50D R50E R55A R55B R55C R55D R55E: library part "RES 100k 1/8W", "Default Resistor Symbol", Manufacturer Part Number 1=ERJ-H3GJ104V, Manufacturer Part Number 2=RMCF0805FT100K, Package=0805, Power (Watts)=0.125W, Supplier Part Number 1=10-ERJ-H3GJ104VCT-ND, Tolerance=5%, Tolerance 2=1%, Part Number="RES 100k 1/8W", Supplier 1=Digi-Key, Supplier 2=Digi-Key, Supplier Part Number 2=RMCF0805FT100KCT-ND